# KiCad board HPM6P41_BB.kicad_pcb (continued)
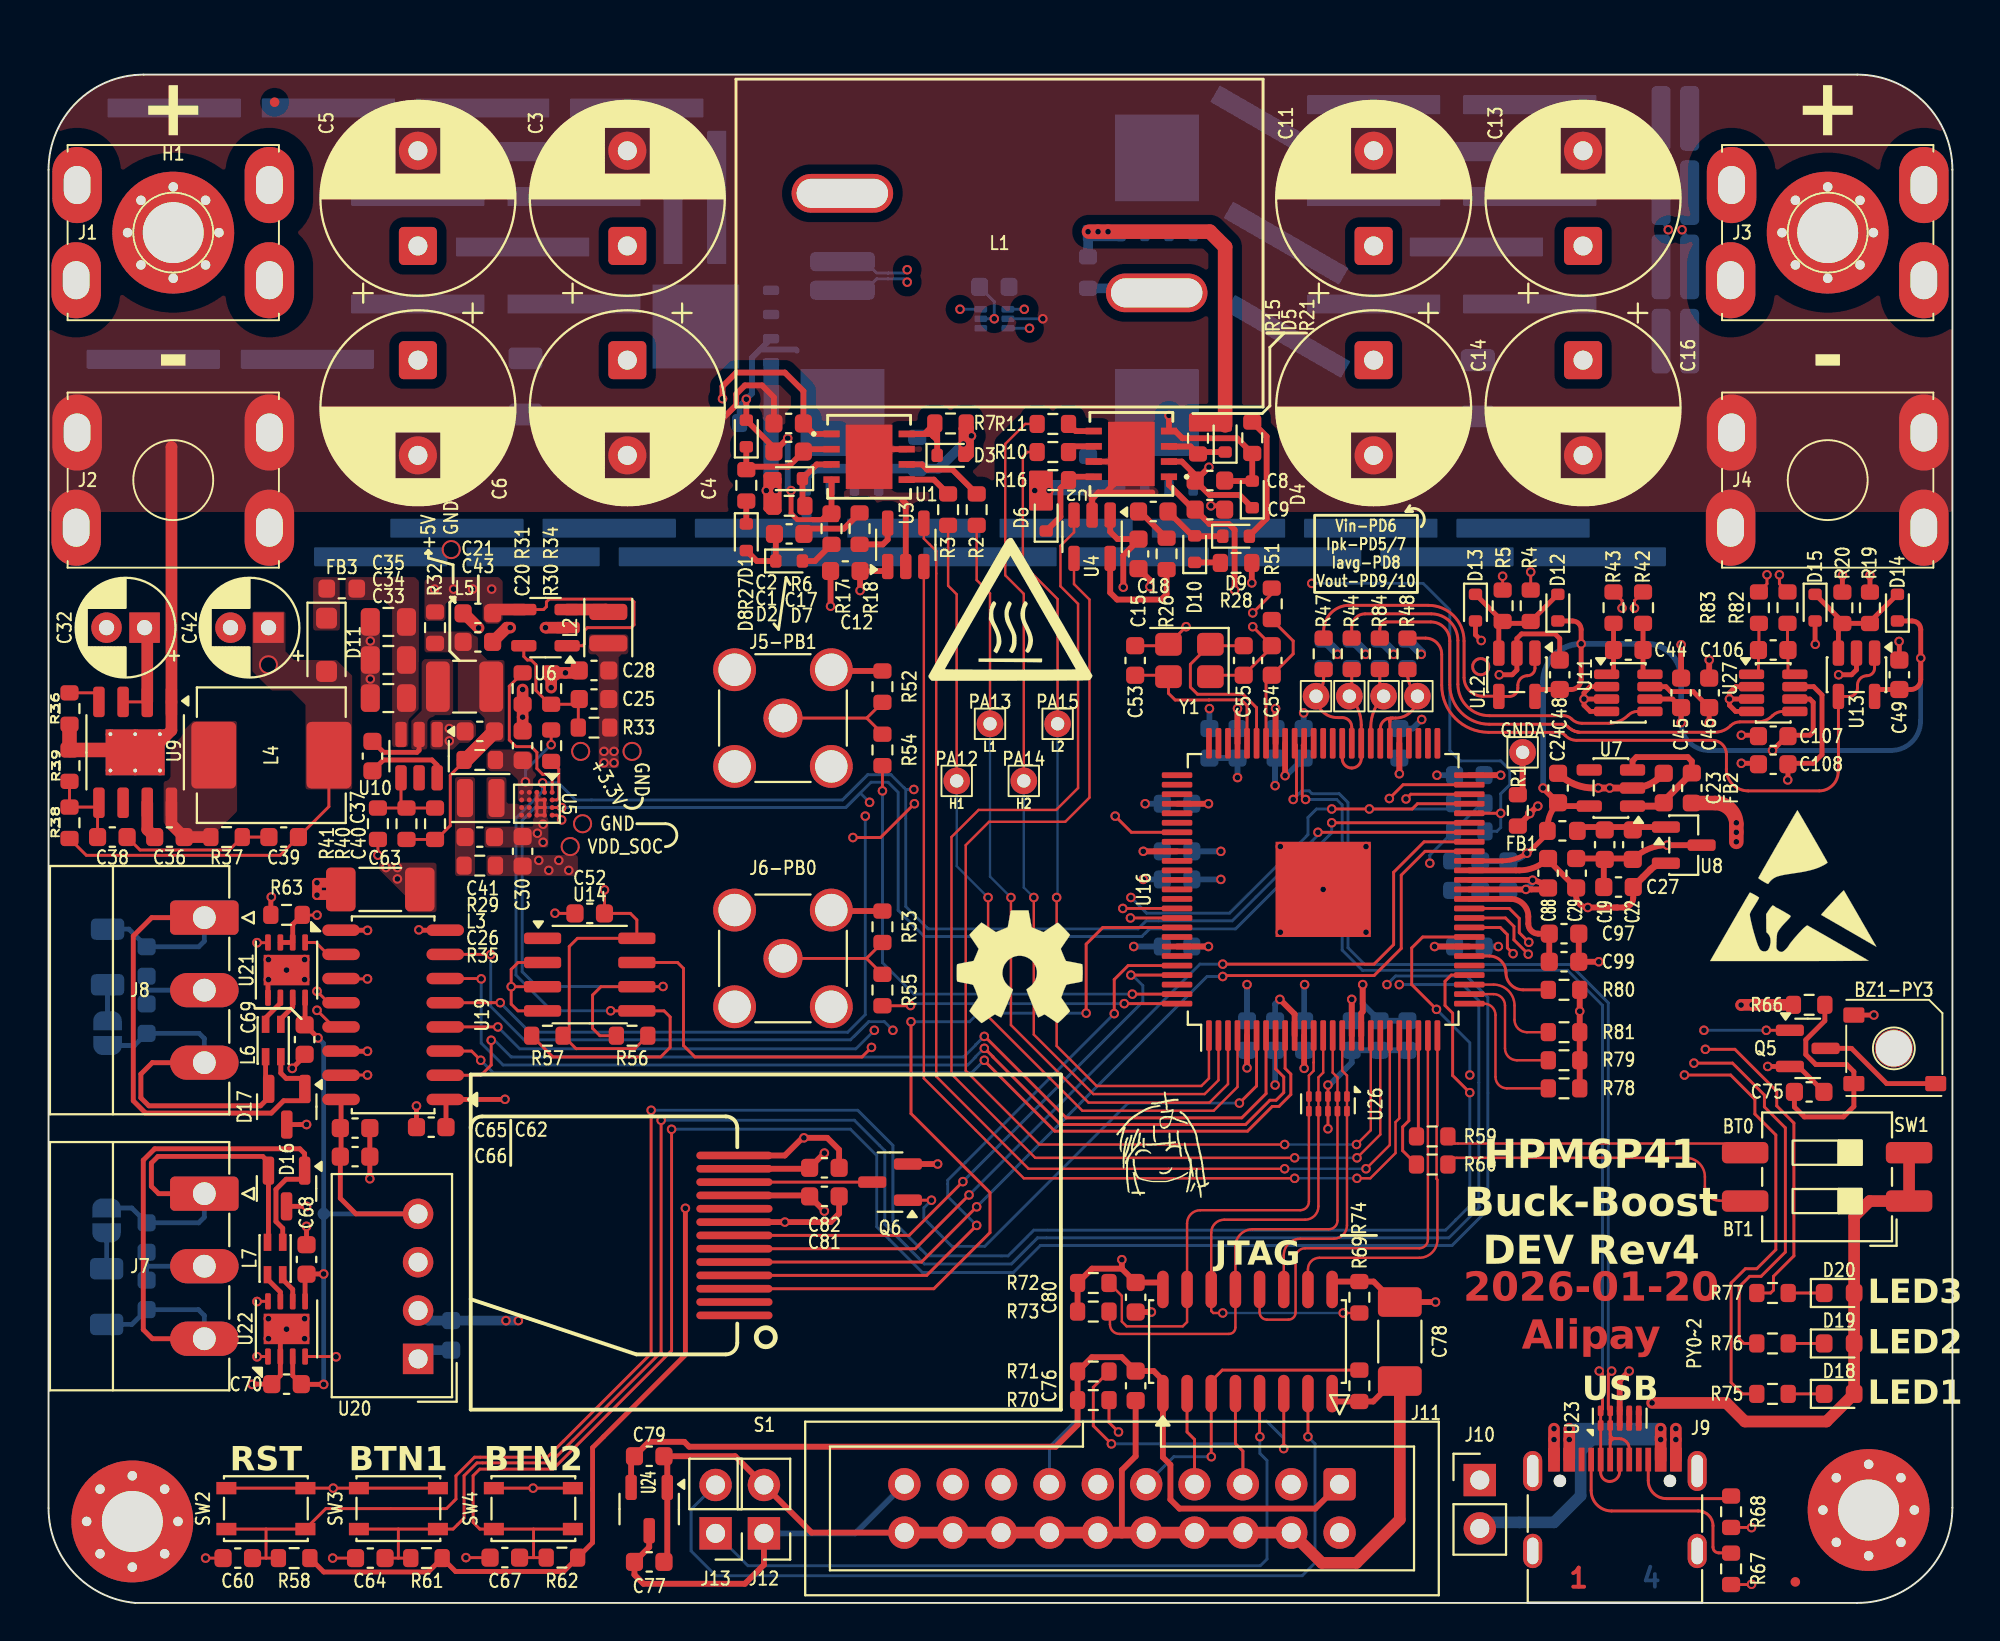
[diagram p0: board, top side]
## Routing (per net, layer and track width the routed paths; a pad name or vN(x,y) marks a point on that pad's centre or on a via; arc(x,y) is an arc through that point) (continued)
  Top w0.508: 15.05,37.18 C63.1 15,37.83 v1(14.1,37.83) v1(14.1,37.18) 15.05,37.18
  Bottom w0.254: 5.15,17.68 5.16,17.69 J7.2 ; 5.15,17.68 C72.2 ; 5.15,17.68 C71.1 ; 5.15,32.18 C73.1 ; 5.15,32.18 C74.2 ; 5.15,32.18 5.16,32.19 J8.2
  vias: v3(11.55,33.79) v3(11.55,32.74) v3(11.55,14.93) v3(11.55,13.88) v3(12.5,14.38) v3(13.45,33.79) v3(13.45,32.74) v3(13.45,14.93) v3(13.45,13.88)
USB_DN: length 54.5
  Top w0.152: v1(81.45,12.18) 81.62,12.01 81.62,10.19 U23.10 U23.1 J9.B7 81.53,6.86 arc(81.66,6.52) 82,6.38 arc(82.37,6.53) 82.53,6.91 J9.A7 ; v1(66.03,42.2) 65.85,42.38 65.85,45.06 U16.65
  Bottom w0.152: v1(81.45,12.18) 81.62,12.35 81.62,31.39 79.79,33.23 69.01,33.23 67.95,34.29 67.95,41.92 67.66,42.2 v1(66.03,42.2)
USB_DP: length 55.5
  Top w0.152: 82.03,8.88 82.03,8.38 ; 82.03,8.88 U23.2 U23.9 81.93,10.19 81.93,12.01 v1(82.1,12.18) ; 82.03,8.88 arc(82.1,8.7) 82.28,8.63 ; J9.B6 83.03,8.11 arc(82.87,8.48) 82.5,8.63 82.28,8.63 ; 82.03,8.38 J9.A6 ; 82.03,8.38 arc(82.1,8.56) 82.28,8.63 ; v1(65.37,42.2) 65.55,42.38 65.55,45.06 U16.66
  Bottom w0.152: v1(82.1,12.18) 81.93,12.35 81.93,31.52 79.91,33.53 69.14,33.53 68.25,34.42 68.25,42.04 67.79,42.51 66.36,42.51 66.21,42.66 65.84,42.66 65.69,42.51 65.68,42.51 v1(65.37,42.2)
VANA: length 70.4
  Top w0.254: v1(85.75,46.24) C45.1 85.3,47.48 U11.6 ; U27.6 92.51,47.48 92.69,47.31 92.69,45.75 92.51,45.58 91.41,45.58 C107.1 91.3,45.53 v1(90.55,44.78) ; D12.1 80.05,51.58 arc(80.37,51.45) 80.5,51.13 80.5,48.5 arc(80.35,48.13) 79.97,47.98 C48.1 78.08,47.98 78.08,47.62 ; 77.63,39.37 77.64,39.38 v1(77.65,39.38) ; 74.62,38.98 76.35,38.98 arc(77.23,39.16) 77.97,39.66 78.62,40.3 arc(78.7,40.42) 78.72,40.56 ; D14.1 97.89,51.58 arc(98.21,51.45) 98.34,51.13 v1(98.34,49.63) 98.34,48.5 arc(98.18,48.13) 97.81,47.98 C49.1 95.91,47.98 U13.5
  Top w0.305: U7.5 79.29,41.86 C24.1 ; v1(78.5,42.81) 79.28,42.03 C24.1 ; 78.72,40.56 78.72,40.67 arc(78.87,41.41) C24.1
  Bottom w0.254: v1(85.75,46.24) arc(86.18,45.21) 87.21,44.78 v1(90.55,44.78) 96.78,44.78 arc(97.88,45.23) 98.33,46.33 98.33,49.62 arc(98.33,49.63) v1(98.34,49.63)
  Bottom w0.305: v1(78.5,42.81) 78.5,48.38 arc(79.09,49.79) v1(80.5,50.38) 83.94,50.38 arc(85.22,49.85) 85.75,48.57 v1(85.75,46.24) ; C84.1 76.68,38.98 arc(77.21,39.08) v1(77.65,39.38)
Vdrv: length 106.4
  Top w0.152: R38.2 1.98,39.27 12.17,39.27 14.73,41.83 L4.2
  Top w0.305: v1(35.4,63.26) 35.4,63.91 36.12,64.63 38.68,64.63 39.65,63.66 C2.1 40.2,61.41 41.12,61.41 ; C9.1 60.98,56.67 61.99,56.67 62.3,56.37 v1(62.3,53.2) ; U4.1 55.76,56.27 56.15,55.88 C15.1 57.25,55.83 56.45,55.03 v1(56.45,53.36) ; U2.1 58.85,58.73 60.1,57.48 60.22,57.48 ; v1(42.62,53.18) 42.62,54.2 43.84,54.2 U3.1
  In2.Cu w0.762: 34.58,56.03 37.43,53.18 v1(42.62,53.18) 56.28,53.18 v1(56.45,53.36) 57.28,54.18 60.3,54.18 61.28,53.2 v1(62.3,53.2) ; 34.58,56.03 33.78,56.83 17.12,56.83 11.56,51.26 C42.1 ; 34.58,56.03 33.71,56.89 35.4,58.58 v1(35.4,63.26)
  vias: v2(11.55,49.28)
VOUT: length 42.5
  Top w0.152: v1(90.91,54) 90.91,53.53 R82.1
  Top w0.254: R19.1 94.22,53.97 v1(94.22,53.98)
  In2.Cu w0.152: v1(85.8,72.13) 85.59,71.92 85.59,66.63 86.59,65.63 89.09,65.63 90.74,63.98 90.74,54.18 v1(90.91,54)
  In2.Cu w0.254: v1(94.22,53.98) 94.22,59.16 arc(95.34,64.74) J3.1
  Bottom w0.152: R24.2 86.2,71.16 arc(86.1,71.69) v1(85.8,72.13)
VREFH: length 43.2
  Top w0.254: U27.7 92.71,48.13 93.15,47.69 93.15,44.57 92.69,44.11 91.41,44.11 C108.1 91.36,43.24 v1(91.35,43.23) ; v1(87.23,46.25) 87.22,46.25 C46.1 86.39,47.87 85.21,47.87 84.95,48.13 U11.7
  Top w0.305: 82.4,36.53 82.72,36.53 arc(83.09,36.68) 83.24,37.04 C27.1 ; 82.4,36.53 v1(80.85,36.53) arc(80.42,36.71) 80.24,37.14 80.24,37.56 78.76,39.03 C88.1 arc(78.07,38.64) 77.25,38.48 74.62,38.48 ; 82.4,36.53 82.25,36.53
  Top w0.356: U8.2 arc(84.51,38.77) 84.14,38.52 83.25,37.63 arc(83.24,37.62) C27.1
  In2.Cu w0.305: 87.5,43.23 86,41.73 86,39.31 83.22,36.53 v1(80.85,36.53) ; 87.5,43.23 v1(91.35,43.23) ; 87.5,43.23 87.5,45.98 v1(87.23,46.25)
VTREF: length 50
  Top w0.305: J11.1 66.53,4.95 59.4,4.95 58.93,5.43 58.93,7.25 58.53,7.65 U25.1 58.53,11.7 58.05,12.18 C76.2 56.37,12.91 54.81,12.91 R71.1 R70.1 54.05,9.36 52.9,8.2 33.65,8.2 33.39,8.46 31.53,8.46 C79.1 30.6,7.53 U24.2
Net-(BZ1-+): length 12.1
  Top w0.254: R66.2 93.3,30.58 92.3,29.58 92.3,28.81 92.83,28.28 94.45,28.28 94.83,27.91 BZ1-PY3.1 94.83,26.08 94.28,25.53 92.22,25.53 91.7,26.06 C75.1
Net-(BZ1--): length 6.6
  Top w0.254: BZ1-PY3.2 96.55,27.28 94.7,29.13 Q5.3
Net-(C17-Pad2): length 3.4
  Top w0.305: C17.2 39.95,56.43 41.78,56.43 R18.1
Net-(C18-Pad2): length 2.1
  Top w0.305: R26.1 57.33,57.33 C18.2
Net-(C20-Pad1): length 3.3
  Top w0.152: R30.1 v1(26.4,45.08)
  Bottom w0.152: v1(25.05,43.13) 25.05,43.73 v1(26.4,45.08)
Net-(C38-Pad1): length 8
  Top w0.152: C39.2 R37.2 9.5,39.55 4.8,39.55 4.12,40.23
Net-(D2-K): length 3.3
  Top w0.305: 41.12,59.81 40.35,59.81 D2.1 39.6,57.76 R6.1
Net-(D3-K): length 5.4
  Top w0.305: 46.46,61.29 46.68,61.08 ; 46.46,61.29 46.35,61.41 U1.8 46,61.41 R7.1 46.68,61.83 46.68,61.08 ; 46.46,61.29 46.46,61.39 46.55,61.48 ; 46.68,61.08 46.68,60.28
Net-(D5-K): length 3.2
  Top w0.305: D5.1 60.48,60.45 60.38,60.36 59.98,60.75 58.86,60.75 U2.3
Net-(D6-K): length 4.6
  Top w0.305: U2.8 53.75,59.16 R16.1 53.15,58.55 53.15,57.05 D6.1
Net-(D7-A): length 1.9
  Top w0.305: R17.1 40.25,54.73 D7.2
Net-(D7-K): length 3.2
  Top w0.305: D8.2 37.2,54.73 D7.1 38.2,56.08 C17.1
Net-(D8-K): length 1.2
  Top w0.305: D8.1 R27.2
Net-(D9-A): length 6.7
  Top w0.305: R21.1 63.98,61.27 63.98,56.96 63.08,56.05
Net-(D10-A): length 3.4
  Top w0.305: D9.1 60.22,56.03 D10.2 60.08,56.05 C18.1
Net-(D10-K): length 1.4
  Top w0.305: D10.1 61.53,54.66 R28.2
Net-(D18-K): length 1.9
  Top w0.152: R75.2 D18.1
Net-(D19-K): length 1.9
  Top w0.152: R76.2 D19.1
Net-(D20-K): length 1.9
  Top w0.152: R77.2 D20.1
Net-(J5-In): length 6.8
  Top w0.152: R54.1 43.8,45.66 42.98,46.48 ; 42.98,46.48 R52.2 ; 42.98,46.48 J5-PB1.1
Net-(J6-In): length 6.8
  Top w0.152: 42.96,33.86 R53.2 ; 42.96,33.86 R55.1 ; 42.96,33.86 J6-PB0.1
Net-(J7-Pin_1): length 21.6
  Top w0.254: L7.3 11.55,18.99 D16.2 11.55,23.16 11.25,23.45 5.75,23.45 5.4,23.11 5.4,21.88 5.78,21.5 J7.1
  Bottom w0.254: JP2.1 4.38,20.74 C71.2 7.89,19.97 8.18,20.26 J7.1
Net-(J7-Pin_3): length 33.9
  Top w0.254: L7.4 12.3,19.68 11.94,20.04 11.94,21.72 12.48,22.25 13.35,22.25 13.45,22.35 D16.1 13.45,23.61 13.2,23.86 5.58,23.86 4.98,23.25 4.98,14.36 5.45,13.88 J7.3
  Bottom w0.254: R65.1 4.37,14.63 C72.1 7.88,15.41 8.18,15.1 J7.3
Net-(J8-Pin_1): length 32
  Top w0.254: J8.1 5.42,36 4.45,35.03 4.45,26.38 5.1,25.73 11.7,25.73 12.35,26.38 13.62,26.38 ; L6.3 12.2,27.83 12.48,27.56 13.28,27.56 13.46,27.37 D17.1
  Bottom w0.254: R64.1 4.22,35.39 C74.1 7.89,34.47 8.18,34.76 J8.1
Net-(J8-Pin_3): length 20.8
  Top w0.254: J8.3 5.45,28.38 5.45,28.38 4.85,27.78 4.85,26.53 5.27,26.11 11.13,26.11 11.56,26.54 D17.2 11.4,27.17 L6.4
  Bottom w0.254: JP1.1 4.51,29.28 C73.2 7.91,29.92 8.18,29.65 J8.3
Net-(J9-CC1): length 11.3
  Top w0.152: J9.A5 81.03,5.91 arc(81.34,5.14) 82.1,4.83 86.65,4.83 arc(87.2,4.6) 87.43,4.06 87.43,2.93 arc(87.51,2.72) 87.72,2.63 88.36,2.63 arc(88.37,2.63) R67.1
Net-(J9-CC2): length 6.1
  Top w0.152: J9.B5 84.03,6.43 arc(84.3,5.76) 84.97,5.48 88.24,5.48 arc(88.34,5.52) R68.1
Net-(JP1-B): length 1.9
  Bottom w0.254: JP1.2 R64.2
Net-(JP2-B): length 1.9
  Bottom w0.254: R65.2 JP2.2
Net-(Q6-D): length 7.2
  Top w0.152: S1.11 Q6.3
Net-(R44-Pad1): length 21
  Top w0.152: R44.1 68.45,51.25 arc(68.66,51.75) 69.15,51.95 72.62,51.95 arc(73.61,51.54) 74.03,50.56 74.03,48.25 arc(74.51,47.09) 75.68,46.61 79.58,46.61 arc(79.81,46.56) 80,46.43 arc(80.25,46.26) 80.54,46.2 81.95,46.2 arc(82.5,46.32) 82.97,46.63 arc(83.2,46.78) 83.46,46.83 U11.5
Net-(R84-Pad1): length 27
  Top w0.152: R84.1 69.93,51.16 arc(70.03,51.42) 70.3,51.53 72.6,51.53 arc(73.31,51.24) 73.6,50.53 73.6,48.23 arc(74.21,46.76) 75.68,46.16 79.5,46.16 arc(79.66,46.12) 79.8,46.03 79.83,46 79.87,45.97 79.9,45.94 79.94,45.91 79.97,45.89 80.01,45.86 80.05,45.84 80.09,45.82 80.13,45.8 80.18,45.79 80.22,45.77 80.27,45.76 80.31,45.75 80.34,45.74 80.38,45.74 80.42,45.73 87.52,45.73 arc(87.97,45.82) 88.35,46.08 arc(88.57,46.23) 88.83,46.28 89.77,46.28 arc(90.19,46.36) 90.55,46.61 arc(90.8,46.77) 91.09,46.83 U27.5
Net-(SW1-PIN3): length 16
  Top w0.127: R59.1 73.88,24.13 88.63,24.13 arc(88.97,23.99) SW1.3
Net-(SW1-PIN4): length 17.3
  Top w0.127: R60.1 73.85,23.38 86,23.38 arc(86.71,23.09) 87,22.38 87,21.88 arc(87.22,21.35) 87.75,21.13 89.09,21.13 arc(89.11,21.12) SW1.4
Net-(U1-HI): length 2.5
  Top w0.305: U1.5 46.5,59.01 R3.1
Net-(U1-LI): length 4.3
  Top w0.305: U1.6 45.87,59.81 46.15,59.53 47.48,59.53 R2.1
Net-(U2-HI): length 1.5
  Top w0.305: U2.5 53.95,61.55 R11.1
Net-(U2-LI): length 1.4
  Top w0.305: R10.1 53.87,60.75 U2.6
Net-(U3-OUT): length 2.4
  Top w0.305: U3.5 44.08,55.86 43.83,55.61 R18.2
Net-(U4-OUT): length 6.3
  Top w0.305: U4.5 55.76,53.07 56.12,52.7 58.45,52.7 58.72,52.98 R26.2
Net-(U5-EN): length 2.6
  Top w0.152: 26.48,44.2 R30.2 26.8,43.81 26.8,42.28 26.7,42.18 U5.A2
Net-(U5-VSEL): length 8.2
  Top w0.152: U5.A1 26.45,43.38 26.3,43.53 25.95,43.53 25.65,43.83 25.65,44.68 25.35,44.98 24.55,44.98 24.2,45.33 24.2,48.16 R31.2
Net-(U6-FB): length 6.9
  Top w0.152: U6.5 24.96,49.72 25.15,49.53 25.35,49.53 25.6,49.28 25.6,47.93 26.33,47.2 R34.1 27.6,47.2 C25.2 27.83,47.43 R33.2
Net-(U6-LX): length 2.2
  Top w0.61: U6.3 29.28,52.18 L2.2
Net-(U7-EN): length 8.3
  Top w0.305: U7.3 83.2,44.23 83.4,44.43 86.1,44.43 86.31,44.22 FB2.2
  Top w0.356: FB2.2 84.9,42.18 arc(84.85,42.11) C23.1 arc(84.79,41.91) 84.66,41.86 U7.1
Net-(U8-IN): length 4.7
  Top w0.305: FB1.2 80.5,40.75 U8.1
Net-(U9-BST): length 2
  Top w0.61: C36.2 5.19,40.62 5.19,42.03
Net-(U9-FB): length 4.8
  Top w0.152: R39.2 R38.1 2.42,41.81 U9.5 2.58,41.96 C38.2
Net-(U9-RON): length 2
  Top w0.152: R36.2 2.58,47.81 2.65,47.73 U9.4
Net-(U9-SW): length 3.5
  Top w0.61: U9.8 6.45,40.9 7.12,40.23 R37.1
Net-(U10-BOOT): length 4.4
  Top w0.254: U10.6 20.41,44 20.14,44.28 17.59,44.28 C37.1
Net-(U10-FB): length 4.7
  Top w0.152: C40.2 R40.2 ; R40.2 18.51,42.04 U10.4 ; R40.2 R41.1
Net-(U10-SW): length 3.6
  Top w0.254: C37.2 17.03,45.25 17.6,44.68 19.35,44.68 19.46,44.79 U10.2
Net-(U11-+): length 2.7
  Top w0.254: R42.2 83.75,48.78
Net-(U11--): length 2.8
  Top w0.254: R43.2 82.2,48.7
Net-(U12--): length 17.6
  Top w0.152: R47.1 66.97,51.05 arc(67.37,52.01) 68.33,52.41 ; 78.08,49.89 78.08,49.11 arc(77.96,48.82) 77.68,48.7 arc(77.32,48.56) 77.18,48.2 77.18,48.06 arc(77.05,47.75) 76.74,47.62 U12.4 arc(76.17,47.63) 76.16,47.63 75.33,47.63 arc(74.64,47.92) 74.35,48.61 74.35,50.53 arc(73.8,51.85) 72.48,52.4 68.22,52.4
Net-(U13--): length 36.3
  Top w0.152: U13.1 95.91,49.11 arc(95.8,48.82) 95.51,48.7 arc(95.16,48.56) 95.01,48.2 95.01,48.06 arc(94.88,47.75) 94.58,47.62 U13.4 94.01,43.67 94,43.66 arc(93.71,42.95) 93,42.66 89.28,42.66 arc(88.46,42.99) 88.12,43.81 arc(88.13,43.81) 88.13,43.81 88.13,44.58 arc(87.92,45.1) 87.4,45.31 80.27,45.31 arc(79.95,45.37) 79.67,45.56 79.65,45.58 arc(79.48,45.69) 79.29,45.73 75.65,45.73 arc(73.9,46.45) 73.18,48.2 73.18,49.83 arc(72.93,50.43) 72.33,50.68 R48.1
  Top w0.254: 94,47.61 arc(94,47.61) U13.4
Net-(U16A-DCDC_GND): length 5.9
  Top w0.127: 74.62,32.48 75.9,32.48 arc(76.68,32.16) 77,31.38 77,30.63 arc(77.19,30.17) 77.65,29.98 R81.1
Net-(U16A-DCDC_IN): length 8.1
  Top w0.127: R78.1 76.6,27.03 arc(76.18,27.21) 76,27.63 76,30.88 arc(75.82,31.3) 75.4,31.48 74.62,31.48
Net-(U16A-DCDC_LP): length 7.1
  Top w0.127: 74.62,31.98 75.9,31.98 arc(76.32,31.8) 76.5,31.38 76.5,29.13 arc(76.68,28.69) 77.12,28.5 R79.1
Net-(U16A-DCDC_SNS): length 5.2
  Top w0.152: 74.62,33.98 75.68,33.98 arc(76.29,33.72) 76.55,33.11 arc(76.81,32.47) 77.45,32.2 R80.1
Net-(U16B-OTPCAP): length 6.4
  Top w0.305: v1(69.03,32.48) 69.03,31.06 68.95,30.98 U16.17
  Bottom w0.305: v1(69.03,32.48) 69.03,31.47 C93.1 C95.1
Net-(U16B-VPMCCAP): length 6.9
  Top w0.305: 74.62,36.98 76.8,36.98 arc(77.45,36.71) 77.72,36.06 77.72,35.68 arc(77.88,35.31) 78.25,35.16 C97.1 C99.1
Net-(U16F-VBUS): length 7.6
  Top w0.152: R51.1 65.38,50.53 65.38,49.86 C54.1 63.95,48.43 U16.69
Net-(U21-A): length 1.7
  Top w0.254: L6.1 11.4,30.73 12.18,31.5 12.18,31.79
Net-(U21-B): length 1.7
  Top w0.254: U21.7 12.83,31.31 12.2,30.68 L6.2
Net-(U22-CANH): length 1.7
  Top w0.254: 12.18,15.84 12.18,16.33 11.5,17.01 L7.2
Net-(U22-CANL): length 1.6
  Top w0.254: L7.1 12.3,16.99 12.82,16.47 U22.6
Net-(U27-+): length 2.7
  Top w0.152: R82.2 91.34,50.08 C106.1 91.36,48.78
Net-(U27--): length 2.7
  Top w0.152: R83.2 89.84,50.08 C106.2 89.81,48.78

## Copper pours and planes (outline as drawn; the poured copper is in the pictures)
5V_OUT on Top: 22.6,46.78 22.9,46.48 22.9,45.28 22.95,45.23 23.9,45.23 23.95,45.28 23.95,49.48 23.9,49.53 23.05,49.53 22.55,50.03 22.55,50.73 22.25,51.03 19.8,51.03 19.75,50.98 19.75,49.98 19.8,49.93 21,49.93 21.5,49.43 21.5,46.83 21.55,46.78
+3.3V on Top: 28.9,45.53 28.9,43.93 28.98,43.86 29.88,43.86 29.95,43.93 29.95,45.53
+3.3V on Top: 28.35,50.78 28.45,50.88 30.35,50.88 30.45,50.78 30.45,49.93 30.35,49.83 30.1,49.83 29.95,49.68 29.95,45.53 29.85,45.43 29,45.43 28.9,45.53 28.9,49.68 28.75,49.83 28.45,49.83 28.35,49.93
+3.3V on In2.Cu: 70.58,44.18 65.05,44.18 64.65,43.78 64.65,43.13 65.05,42.73 70.58,42.73
+3.3V on In2.Cu: 28.99,47.23 29.95,46.27 29.95,42.66 28.9,42.66 28.9,43.04 28.61,43.33 25.1,43.33 24.45,42.68 24.45,39.09 27.12,36.48 27.12,29.8 33.07,23.87 41.67,23.88 46.08,19.48 73.85,19.48 81.45,11.88 84.05,11.88 84.62,11.3 84.62,10.06 84.02,9.45 80.65,9.45 72.72,17.38 44.08,17.38 41.15,20.31 31.62,20.31 24.53,27.37 24.53,35.36 22.05,37.83 22.05,37.83 22.04,43.14 26.12,47.23
+3.3V on In2.Cu: 28.9,45.53 28.9,40.41 29.7,39.61 56.55,39.61 56.93,39.98 58.15,39.98 59.15,39.61 59.95,38.18 59.95,42.08 59.15,41.28 56.75,41.28 56.35,40.88 30.3,40.88 29.95,41.23 29.95,45.53
+3.3V on In2.Cu: 59.95,42.08 60.15,42.28 61.1,42.28 61.25,42.13 61.25,32.53 61.7,32.08 71.55,32.08 71.97,32.5 71.97,42.33 71.58,42.73 70.58,42.73 70.3,43 70.3,43.91 70.58,44.18 72.03,44.18 73.08,43.13 73.08,31.88 72.18,30.98 61.08,30.98 59.95,32.11
+5V on Top: 19.75,51.68 19.85,51.58 20.75,51.58 20.85,51.68 20.85,52.48 21,52.63 22.65,52.63 22.8,52.48 22.8,51.53 22.9,51.43 23.75,51.43 23.85,51.53 23.85,53.68 23.65,53.88 19.95,53.88 19.75,53.68
+5V on In2.Cu: 25.33,23.93 23.73,22.33 23.73,14.31 28.73,9.31 48.75,9.31 53.3,13.86 72.58,13.86 73.72,12.7 73.72,5.73 74.08,5.38 75.45,5.38 77.08,3.75 88.78,3.75 89.78,4.75 89.78,41.08 89.62,41.23 88.38,41.23 87.72,40.58 87.72,6.2 87.3,5.78 77.78,5.78 76.05,7.5 76.05,13.86 72.7,17.2 51.48,17.2 46.55,12.28 30.88,12.28 27.08,16.08 27.08,22.18
+5V on In2.Cu: 19.95,53.88 23.65,53.88 23.85,53.68 23.85,52.63 23.65,52.43 21.55,52.43 20.73,51.61 20.73,38.66 21.9,37.48 21.9,27.36 25.33,23.93 25.33,22.23 23.8,22.23 19.62,26.41 19.62,36.93 18.6,37.95 18.6,52.53
GND on Top: 16.4,46.95 16.55,46.81 17.25,46.81 17.4,46.95 17.4,52.11 17.25,52.25 16.55,52.25 16.4,52.11
GND on Top: 20.05,46.28 20.15,46.38 22.2,46.38 22.45,46.13 22.45,45.43 22.2,45.18 21.6,45.18 21.25,44.83 20.15,44.83 20.05,44.93
GND on Top: 22.9,39.73 22.95,39.68 26.2,39.68 26.25,39.73 26.25,42.33 26.2,42.38 25.9,42.38 25.85,42.43 25.85,42.73 25.8,42.78 25.5,42.78 25.45,42.73 25.45,40.83 25.4,40.78 22.95,40.78 22.9,40.73
GND on Top: 102.3,57.3 -3.17,57.3 -3.17,86.13 -1.2,88.11 102.3,88.11
GND on Top: 20.29,38.88 20.33,38.86 20.36,38.84 20.37,38.8 20.38,38.78 20.38,36.38 20.37,36.36 20.36,36.32 20.33,36.3 20.29,36.28 20.28,36.28 17.45,36.28 17.43,36.28 17.39,36.3 17.37,36.32 17.35,36.36 17.35,36.38 17.35,38.78 17.35,38.8 17.37,38.84 17.39,38.86 17.43,38.88 17.45,38.88 20.28,38.88
GND on Bottom, In1.Cu: 100,81.95 100,54.03 0,54.03 0,81.95
GND on In1.Cu: 0,54.08 100,54.08 100,-0.42 0,-0.42
GNDA on In2.Cu: 66,50.63 66,47.13 66.55,46.58 74.85,46.58 75.3,46.13 75.3,36.63 76.8,35.13 84.26,35.13 87.65,38.52 87.65,40.6 88.93,41.88 92.92,41.88 94.25,43.21 94.25,45.07 95.48,46.31 98.18,46.31 99.15,47.28 99.15,50.55 98.07,51.63 67,51.63
VDD_SOC on Top: 23,38.23 23.05,38.18 25.4,38.18 25.45,38.23 25.45,39.23 25.4,39.28 23.05,39.28 23,39.23
VDD_SOC on Top: 25.3,38.18 27.75,38.18 27.8,38.23 27.8,39.23 27.75,39.28 25.3,39.28
VDD_SOC on In2.Cu: 56.43,39.28 57,39.86 58.1,39.86 58.6,39.36 58.6,29.11 59,28.7 73.1,28.7 73.53,29.13 73.53,44.13 72.97,44.68 61.35,44.68 60.53,45.5 60.53,46.95 61.35,47.78 64.62,47.78 65.28,47.13 65.28,46.53 65.58,46.23 73.75,46.23 74.83,45.16 74.83,44.43 75.15,44.11 76.47,44.11 76.8,43.78 76.8,43.13 76.47,42.81 75.15,42.81 74.83,42.48 74.83,28.58 73.72,27.48 58.2,27.48 57.33,28.36 57.33,37.38 56.53,38.18 56.43,38.18
VDD_SOC on In2.Cu: 25.43,39.28 25.43,38.18 57.7,38.18 57.7,39.28
VIN on Bottom: 35.9,64.08 36.55,64.73 36.55,79.28 35.55,80.28 0,80.28 0,64.08
/BB/ISENSE2+ on Bottom: 56.4,64.08 55.4,65.08 55.4,79.28 56.4,80.28 85.2,80.28 85.2,64.08
/BB/S3 on Bottom: 55.4,60.28 55.9,59.78 60.65,59.78 61.15,60.28 61.15,72.53 60.9,72.78 57.4,72.78 57.15,72.53 57.15,71.53 56.9,71.28 55.65,71.28 55.4,71.03
/ISENSE+ on Bottom: 37.4,69.13 37.73,69.45 43.23,69.45 43.6,69.08 44.55,69.08 44.75,68.88 44.75,60.16 44.73,60.13 39.45,60.13 39.35,60.23 39.35,65.48 39.08,65.75 37.7,65.75 37.4,66.06
/ISENSE- on Bottom: 38.65,75.38 38.7,75.43 44.7,75.43 44.75,75.38 44.75,70.53 44.55,70.33 43.6,70.33 43.23,69.95 38.68,69.95 38.65,69.98
ISO_GND on In1.Cu, In2.Cu: 30.08,-0.69 30.08,7.18 31.33,8.43 51.38,8.43 53.33,10.38 53.33,11.93 54.43,13.03 72.12,13.03 72.85,12.31 72.85,-0.69
ISO_GNDC on Bottom, In1.Cu: 17,35.91 17,23.13 17.7,22.43 19.9,22.43 21.25,21.08 21.25,18.33 19.9,16.98 17.73,16.98 17,16.25 17,12.49 15.17,10.66 -1.15,10.66 -1.15,38.33 14.58,38.33
ISO_GNDC on In1.Cu: 17.05,22.43 17.05,16.98 19.9,16.98 21.25,18.33 21.25,21.08 19.9,22.43
Vdrv on Top: 13.5,42.78 13.55,42.73 15.9,42.73 15.95,42.78 15.95,48.71 15.13,49.53 12.9,49.53 12.45,49.98 12.45,52.03 12.4,52.08 10.75,52.08 10.7,52.03 10.7,48.94 11.71,47.93 12.74,47.93 13.5,47.17
VOUT on Bottom: 100.4,80.28 100.4,64.08 85.7,64.08 85.7,80.28
Net-(C20-Pad1) on Top: 23,44.68 23.15,44.83 24.3,44.83 24.5,45.03 25.3,45.03 25.8,44.53 25.8,43.63 25.45,43.28 25.45,42.03 25.4,41.98 24.7,41.98 24.65,42.03 24.65,43.23 24.2,43.68 23.2,43.68 23,43.88
Net-(C26-Pad1) on Top: 21.35,43.33 21.4,43.38 22.35,43.38 22.4,43.33 22.4,38.23 22.35,38.18 21.4,38.18 21.35,38.23
Net-(D11-K) on Top: 13.9,53.83 13.95,53.88 15.25,53.88 15.3,53.83 15.3,51.13 15.25,51.08 13.95,51.08 13.9,51.13
Net-(L3-Pad2) on Top: 23,43.33 23.05,43.38 24,43.38 24.05,43.33 24.05,42.08 24.15,41.98 25.4,41.98 25.45,41.93 25.45,41.23 25.4,41.18 23.05,41.18 23,41.23
Net-(U9-SW) on Top: 6.05,40.88 6.45,40.48 8.8,40.48 9.9,41.58 9.9,46.28 9.85,46.33 7.6,46.33 6.3,45.03 6.3,43.38 6.05,43.13
Net-(U10-SW) on Top: 19.05,44.88 19.1,44.83 19.85,44.83 19.9,44.88 19.9,46.23 20.3,46.63 21.1,46.63 21.25,46.78 21.25,49.43 21.1,49.58 19.75,49.58 19.6,49.43 19.6,46.88 19.05,46.33
Net-(U10-VIN) on Top: 15.6,53.83 15.65,53.88 19.25,53.88 19.45,53.68 19.45,46.93 18.95,46.43 18.95,44.88 18.9,44.83 18.1,44.83 18.05,44.88 18.05,52.23 17.6,52.68 15.65,52.68 15.6,52.73

## Text on the board
B.Silkscreen: GND | Vdrv | CAN-H | CAN-L | 485-B | 485-A | Rev4 Designed by / Alipay@ / 4-Switch / Buck-Boost Converter | https://github.com/Alipay1/HPM6P41_BB
Top: 2026-01-20 / Alipay
F.Silkscreen: H1 | L1 | H2 | L2 | Vin-PD6 / Ipk-PD5/7 / Iavg-PD8 / Vout-PD9/10 | VDD_SOC | GND | BT0 | BT1 | +5V | PY0~2 | +3.3V | LED3 | LED2 | LED1 | RST | BTN1 | BTN2 | JTAG | USB | HPM6P41 / Buck-Boost / DEV Rev4 | + | -
